# Altium PCB ADRF6510.PcbDoc
Units mil, origin at the board's own origin, x right, y up, seen from the top; angles counter-clockwise.
Board outline 1943 x 1910 mil, 4 copper layers (Top Layer, Layer 1, Layer 2, Bottom Layer), stack 23.756 mil thick; 53 components, 44 nets, 182 pads, 222 vias.
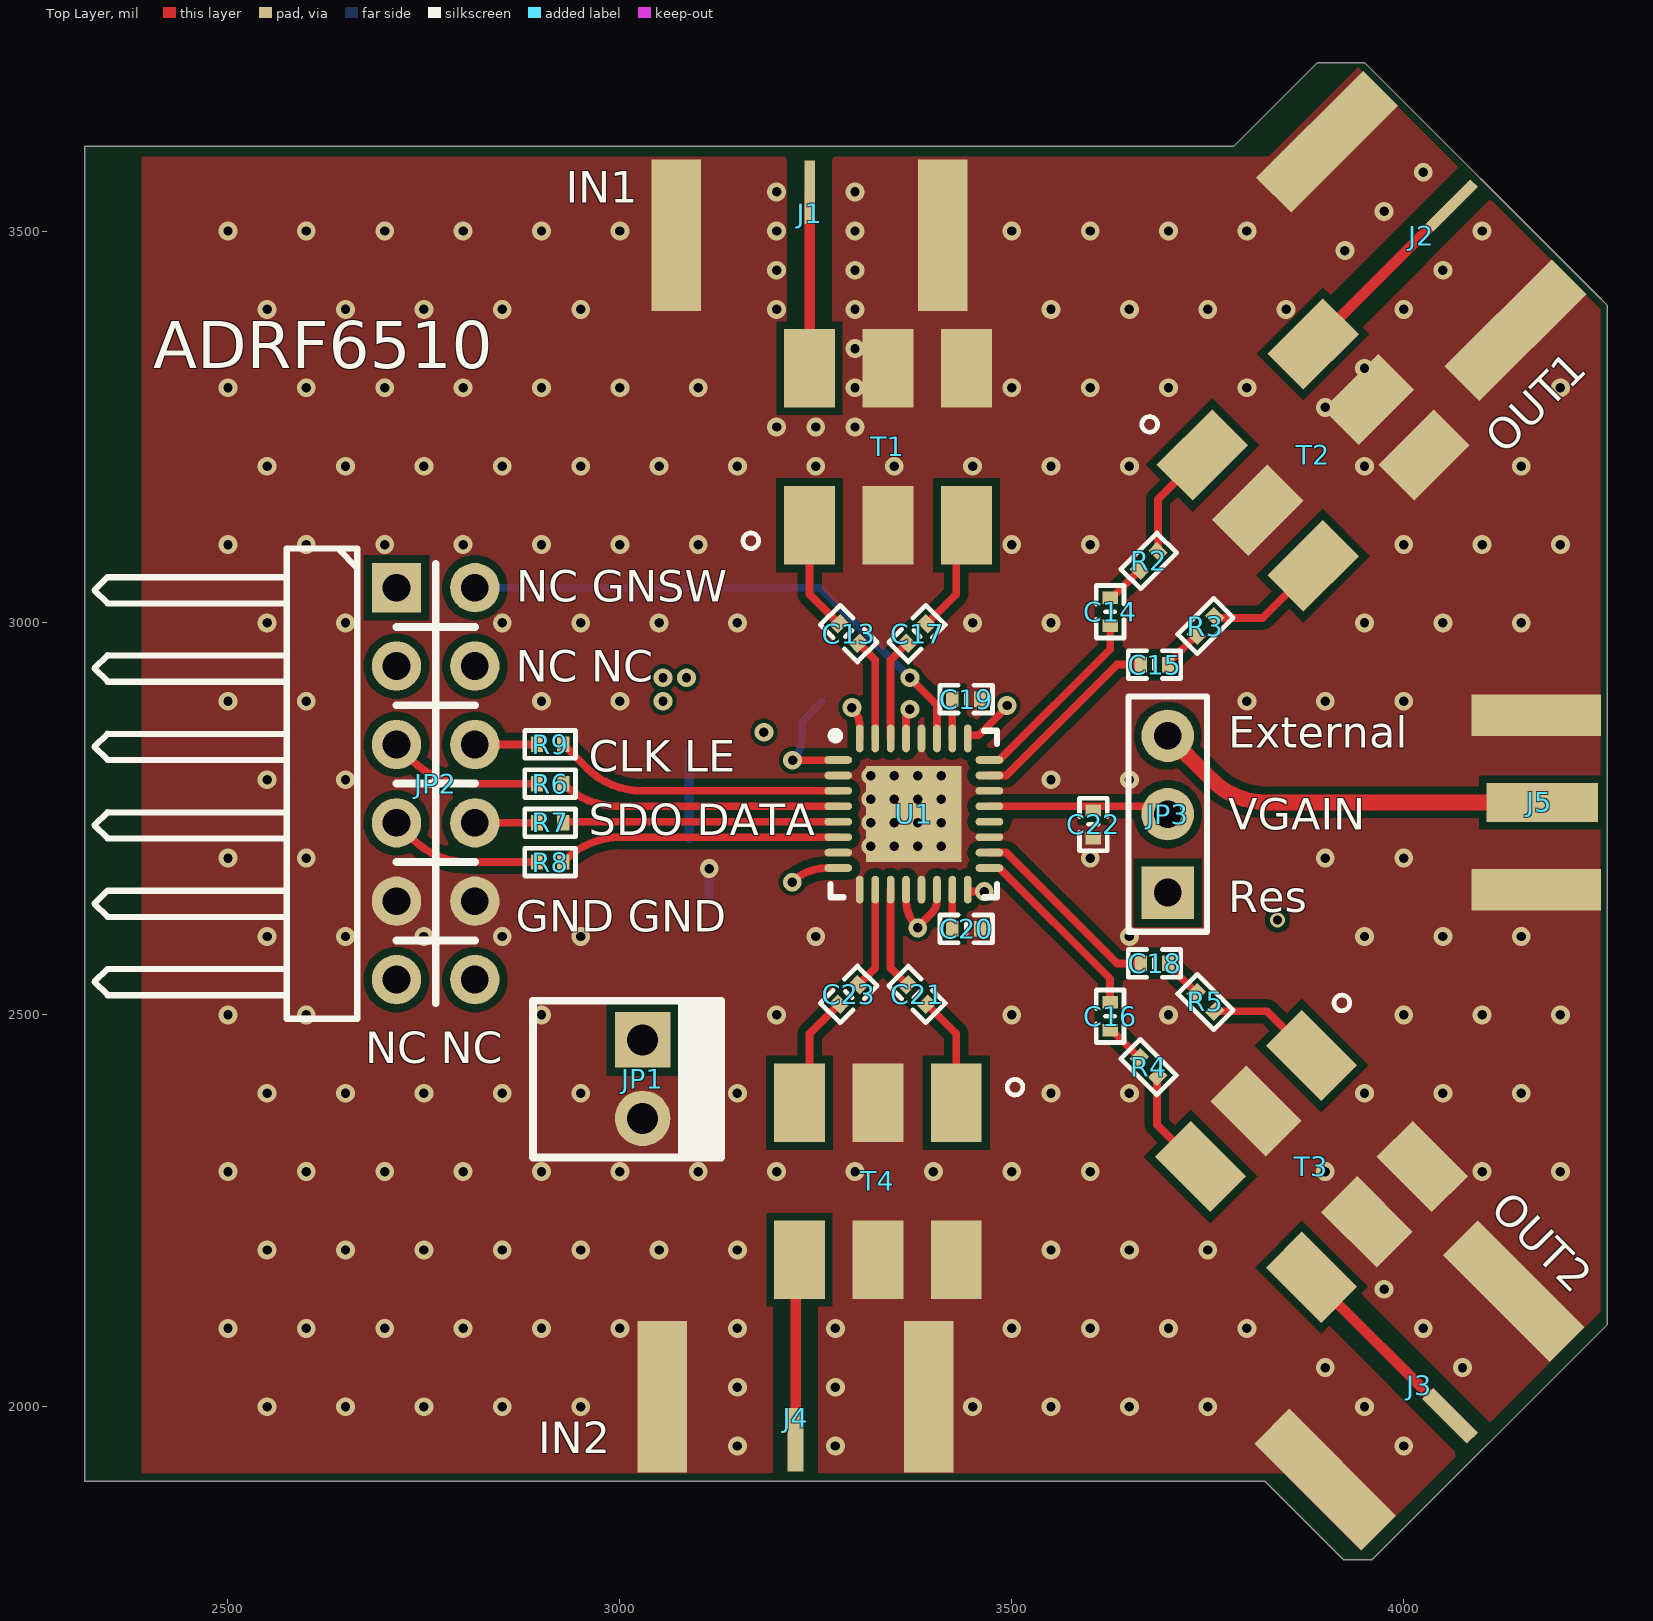
[diagram p0: Top Layer view]
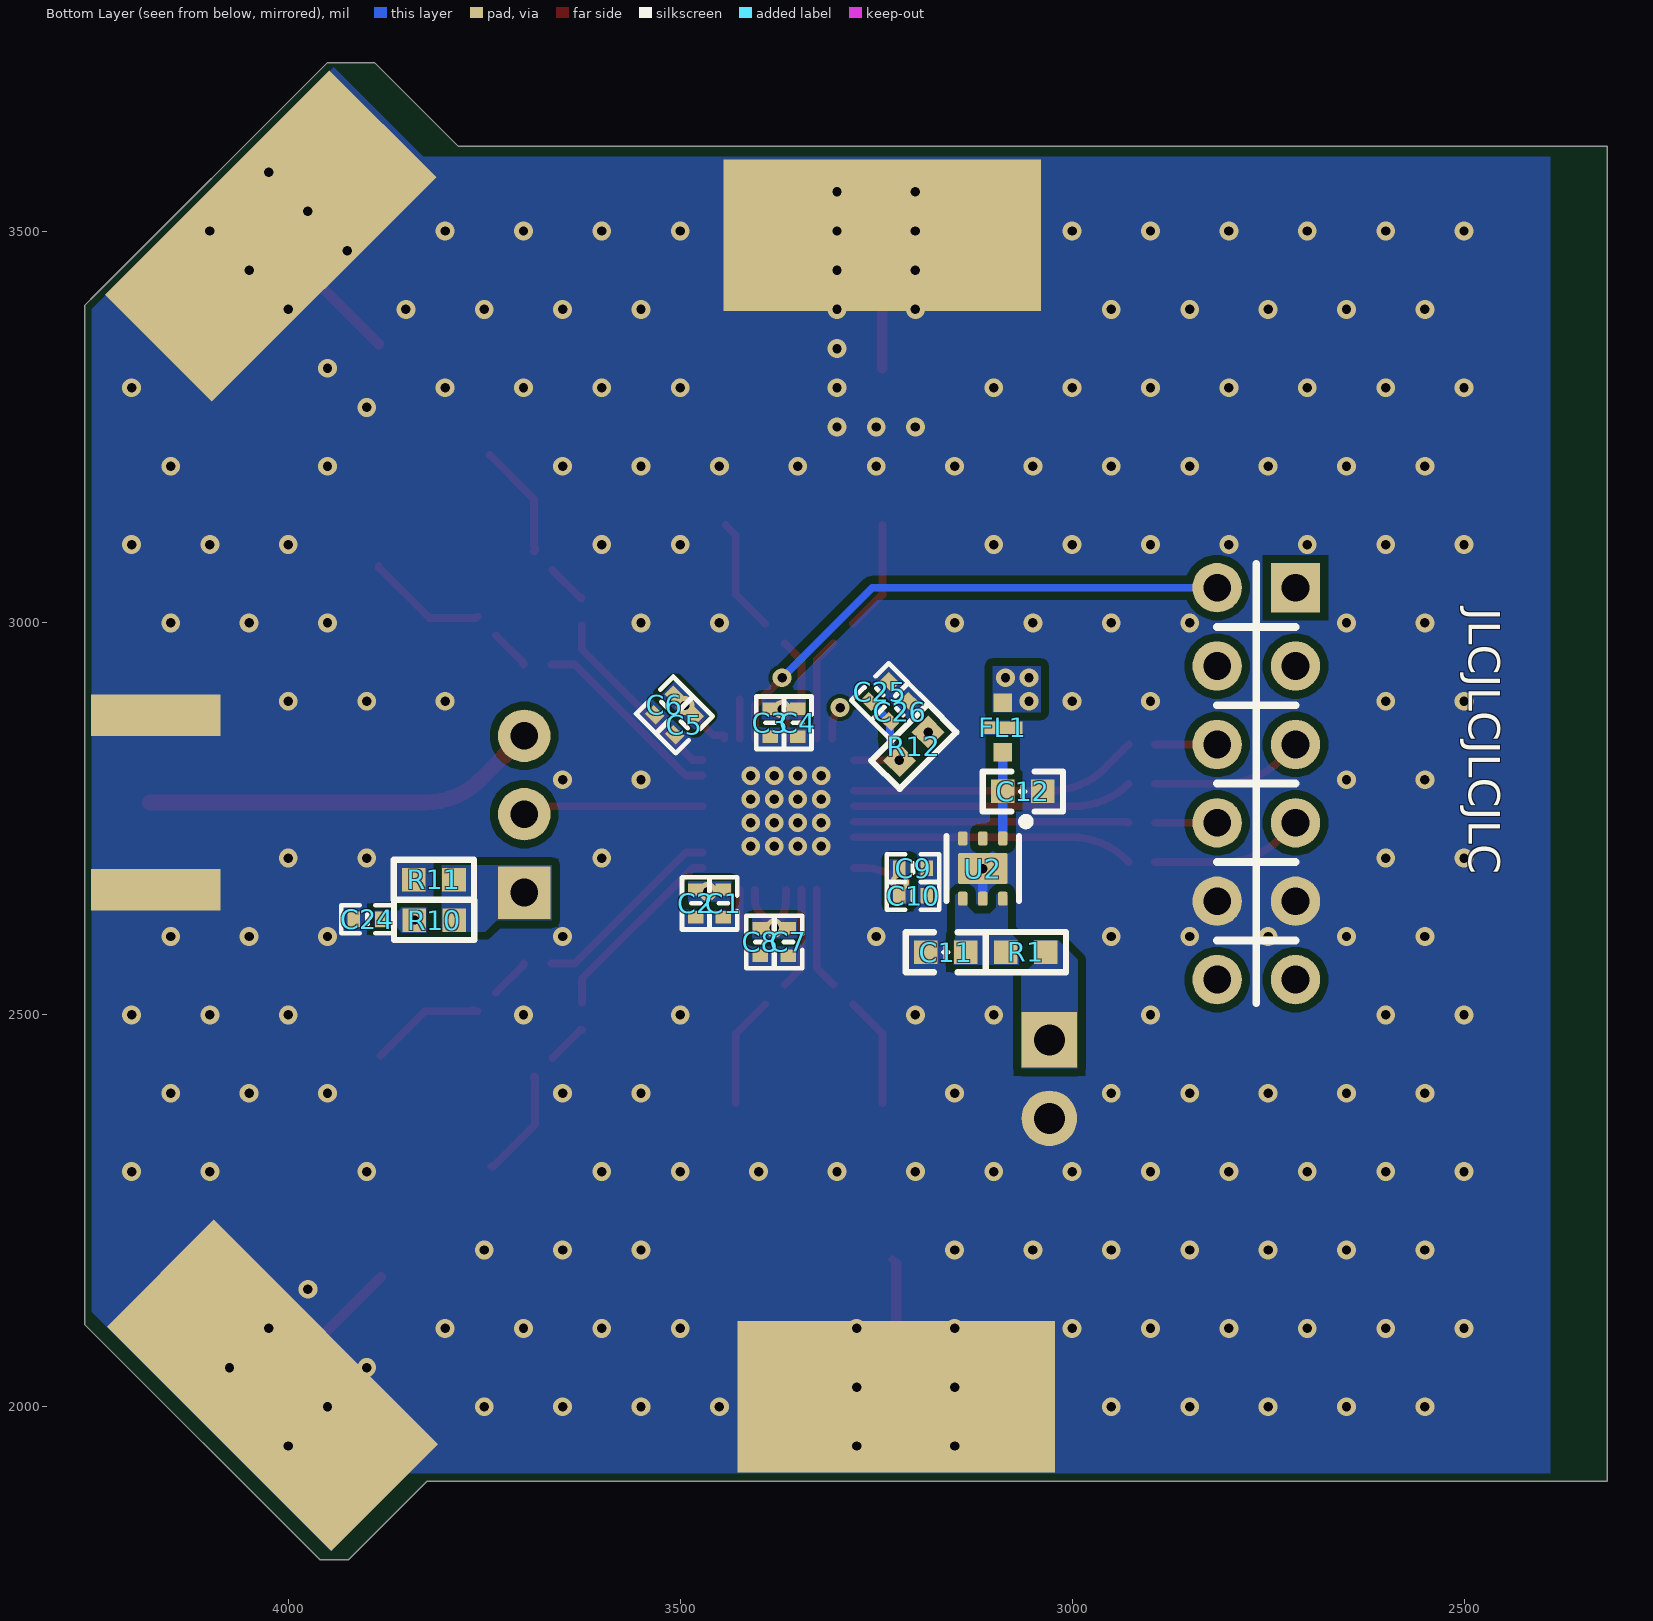
[diagram p1: Bottom Layer view, seen from below]
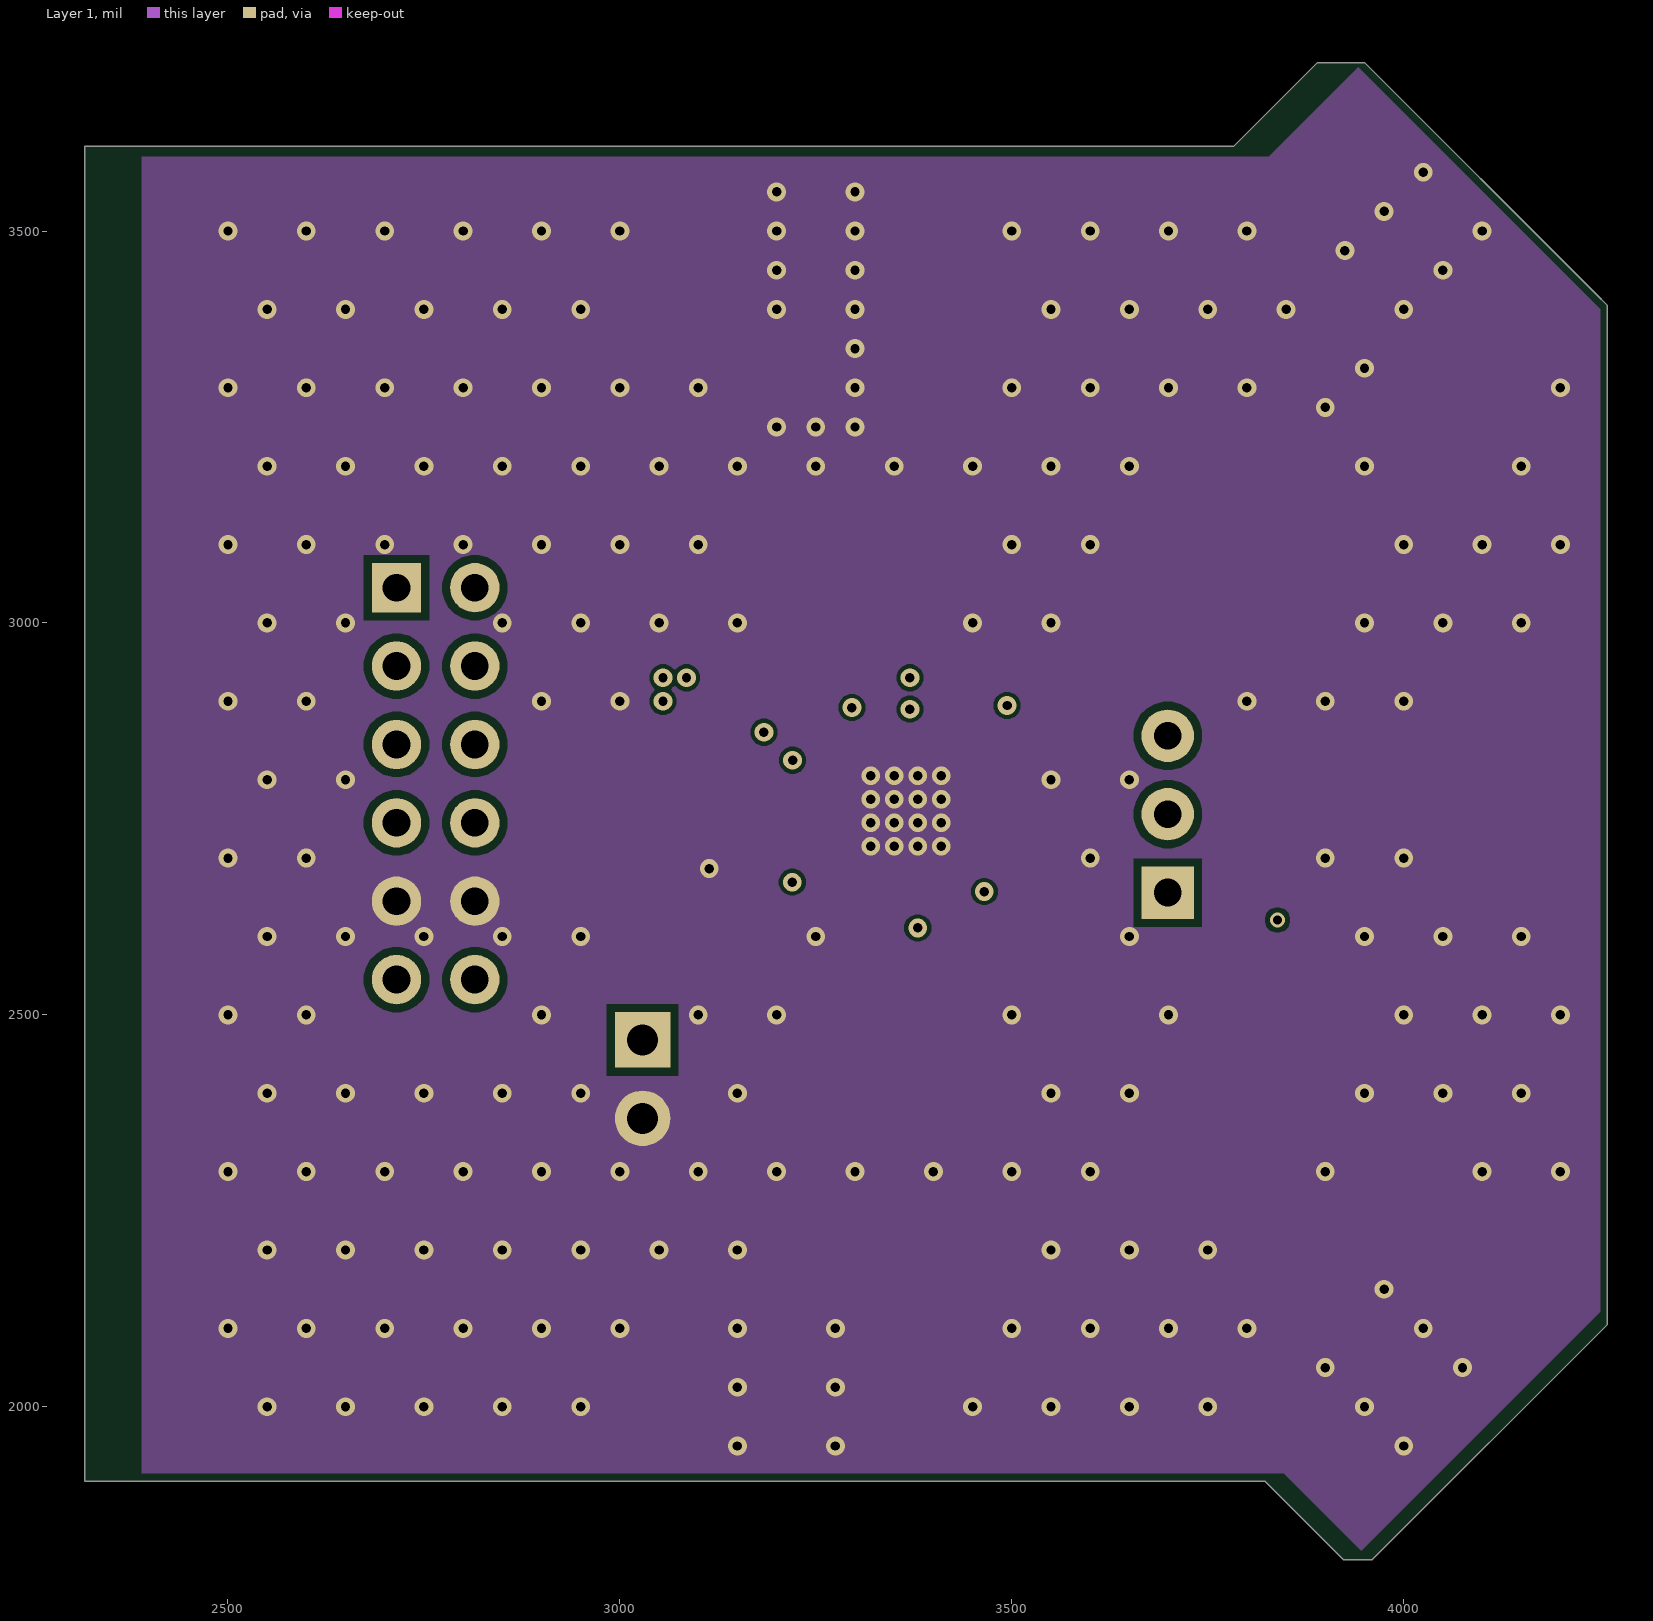
[diagram p2: Layer 1]
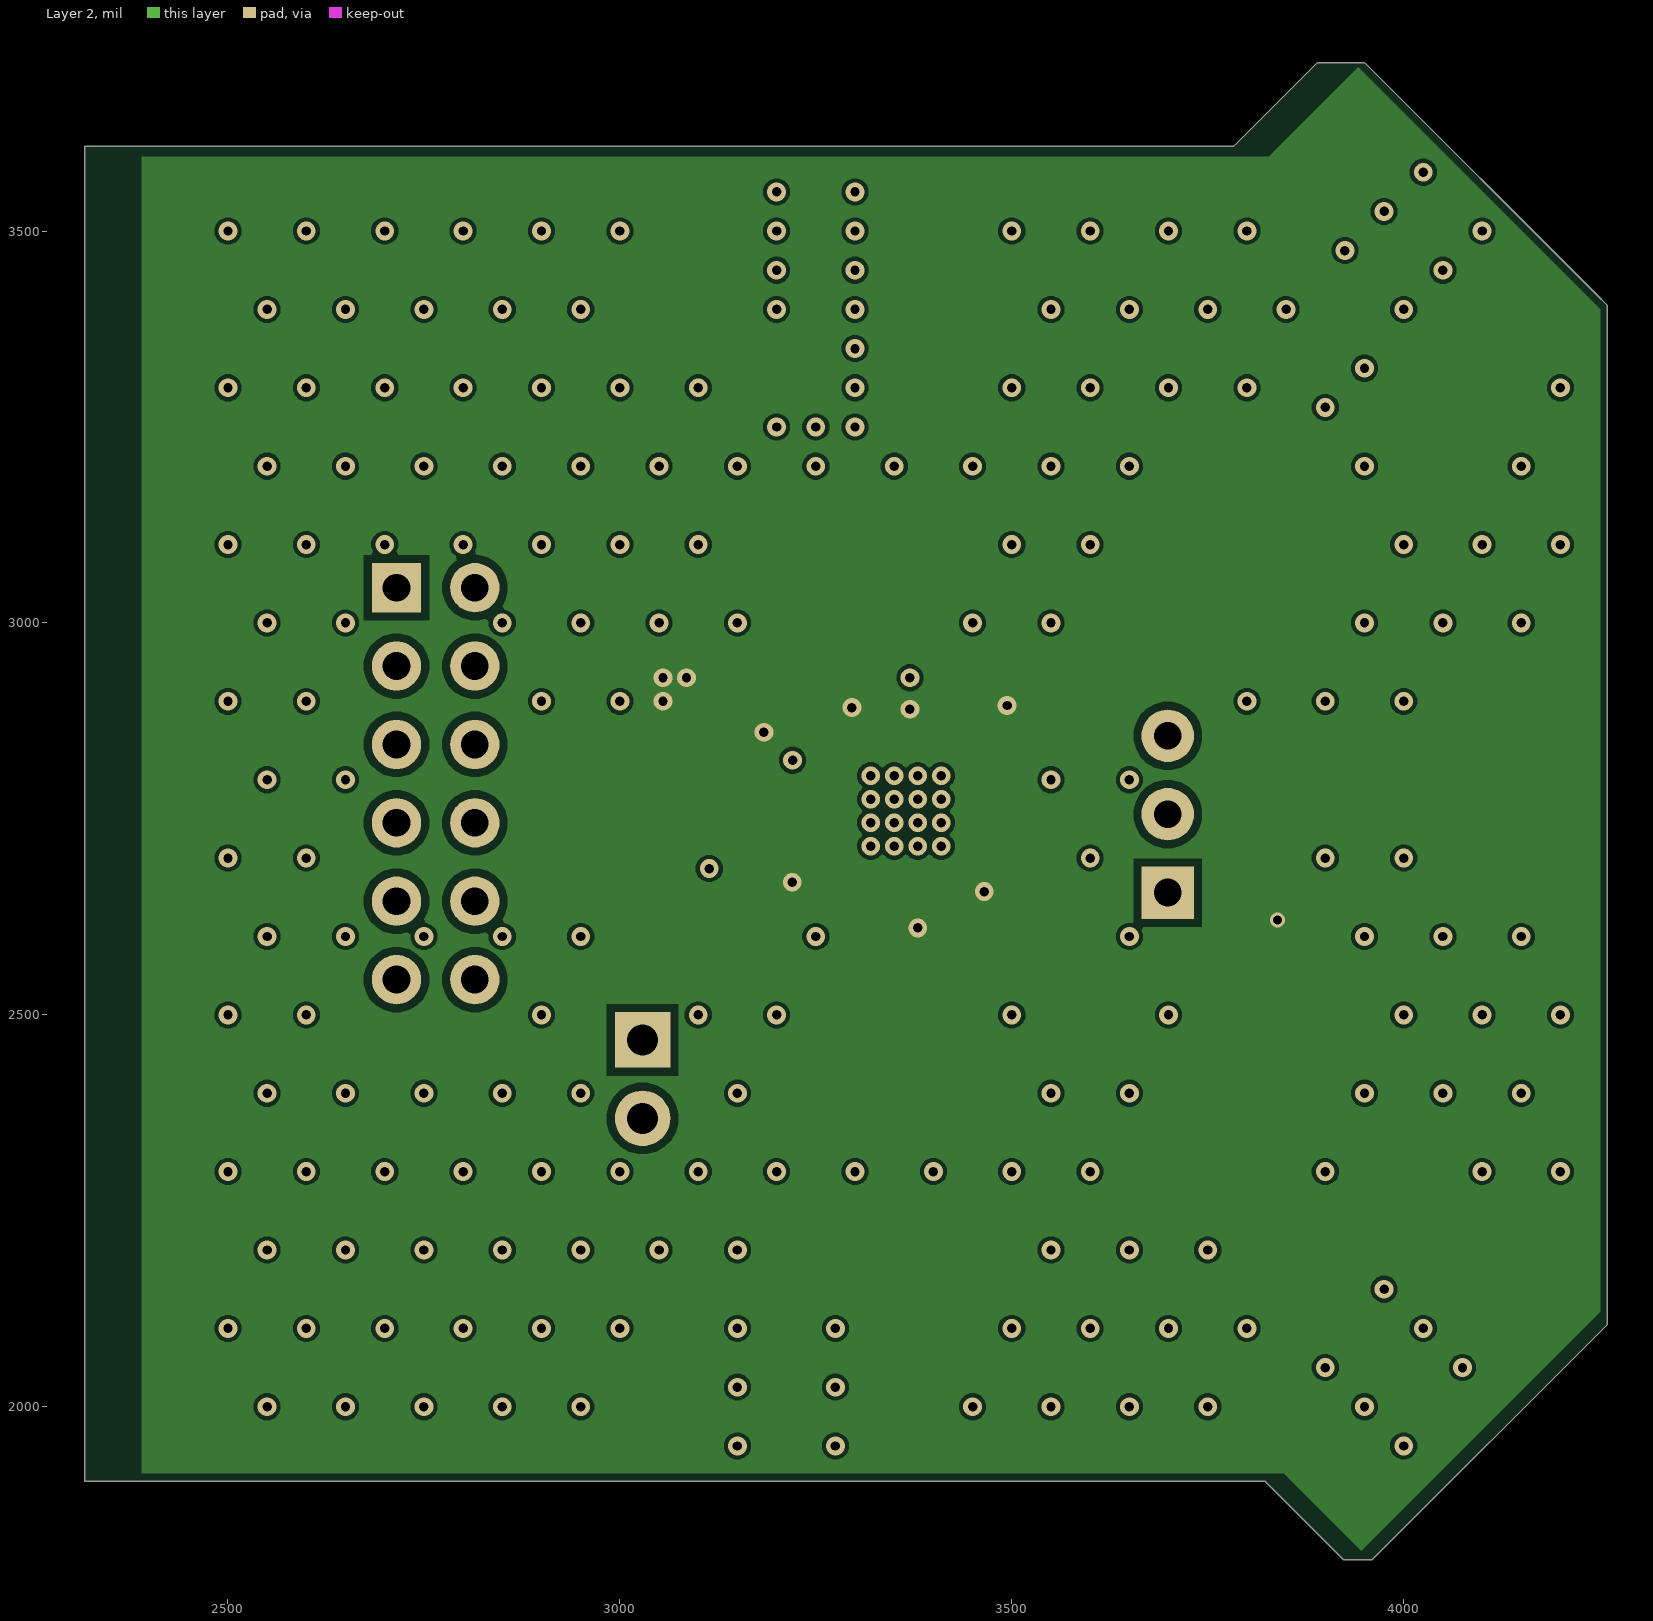
[diagram p3: Layer 2]

## Layer stack, top to bottom
Top Solder: solder mask 0.4, Solder Resist, Dk 3.5
Top Layer: signal copper 1.4
Dielectric 2: prepreg 2.8, PP-006, Dk 4.1
Layer 1: signal copper 1.378
Dielectric 1: dielectric 12.6, FR-4, Dk 4.8
Layer 2: signal copper 1.378
Dielectric 3: prepreg 2.8, PP-006, Dk 4.1
Bottom Layer: signal copper 1.4
Bottom Solder: solder mask 0.4, Solder Resist, Dk 3.5

## Board outline
2317,1905 2317,3608 3782,3608 3783,3608 3890,3715 3950,3715 4245,3420 4260,3405 4260,2105 3960,1805 3923,1805 3823,1905

## Design rules (kind name [scope] priority, off if disabled: settings)
Clearance [All] p1: gap=5 ignorepadtopadclearanceinfootprint=TRUE except(10: Arc-Fill Arc-Poly Arc-Region Track-Fill Track-Poly Track-Region SMDPad-Fill SMDPad-Poly SMDPad-Region THPad-Fill THPad-Poly THPad-Region Fill-Fill Fill-Poly Fill-Region Fill-Text Fill-Hole Poly-Poly Poly-Region Poly-Text Poly-Hole Region-Region Region-Text Region-Hole)
PlaneConnect [All] p1: planeconnectstyle=Direct reliefexpansion=20 reliefentries=4 reliefconductorwidth=10 reliefairgap=10
PolygonConnect [All] p1: connectstyle=Direct reliefconductorwidth=10 reliefentries=4 polygonreliefangle="90 Angle" airgapwidth=10
RoutingVias [All] p1: holewidth=28 width=50 viastyle="Through Hole" minholewidth=28 minwidth=50 maxholewidth=28 maxwidth=50
SolderMaskExpansion [All] p1: expansion=4 istentingtop=FALSE
Width [All] p1: maxlimit=20 minlimit=9 preferedwidth=10
29 further rules are at their usual default settings.

## Components (designator, comment, footprint, x,y, rotation, side; value= is the part's Value field where it differs from the comment)
C1 "100nF" "C 0402_L" 3445,2642.29 r90 bottom
C2 "100nF" "C 0402_L" 3480,2642.29 r90 bottom
C3 "100nF" "C 0402_L" 3385.13,2872.71 r90 bottom
C4 "100nF" "C 0402_L" 3350.12,2872.71 r90 bottom
C5 "100nF" "C 0402_L" 3494.69,2869.93 r135 bottom
C6 "100nF" "C 0402_L" 3520.15,2895.39 r135 bottom
C7 "100nF" "C 0402_L" 3362.01,2593 r90 bottom
C8 "100nF" "C 0402_L" 3398.01,2593 r90 bottom
C9 "100nF" "C 0402_L" 3203,2687.29 r0 bottom
C10 "100nF" "C 0402_L" 3203,2652 r0 bottom
C11 "1uF" "C 0603_L" 3161.16,2579.91 r0 bottom
C12 "4.7uF" "C 0603_L" 3062.82,2785 r180 bottom
C13 "100nF" "C 0402_L" 3292.01,2986.45 r135 top
C14 "100nF" "C 0402_L" 3625.56,3014.29 r90 top
C15 "100nF" "C 0402_L" 3682.1,2946.89 r0 top
C16 "100nF" "C 0402_L" 3625.48,2498.22 r270 top
C17 "100nF" "C 0402_L" 3379.17,2986.45 r45 top
C18 "100nF" "C 0402_L" 3682.1,2565.62 r0 top
C19 "1nF" "C 0402_L" 3441.89,2902.71 r0 top
C20 "1nF" "C 0402_L" 3441.89,2609.79 r0 top
C21 "100nF" "C 0402_L" 3379.17,2526.05 r315 top
C22 "100nF" "C 0402_L" 3604,2743 r90 top
C23 "100nF" "C 0402_L" 3292.01,2526.05 r225 top
C24 "100nF" "C 0402_L" 3899,2622 r180 bottom
C25 "100nF" "C 0402_L" 3245.36,2912.29 r315 bottom
C26 "100nF" "C 0402_L" 3219.9,2886.83 r315 bottom
FL1 "NFM18PC104R1C3D" FIL_NFM18PC104R1C3D 3088.41,2866.5 r90 bottom
J1 "132414" CONN_132414_AMP#1 3242.01,3694.79 r0 top
J2 "132414" CONN_132414_AMP#1 4163.84,3635.16 r315 top
J3 "132414" CONN_132414_AMP#2 4161.56,1885.91 r225 top
J4 "132414" CONN_132414_AMP#2 3224.17,1812.71 r180 top
J5 "SMA-J-P-H-ST-EM1" FP-SMA-J-P-H-ST-EM1-MFG 4439,2771 r90 top
JP1 "HDR-1X2" KF2510-LI-2P 3029,2418 r270 top
JP2 "Header 6X2" HDR2.54-WI-2x6P 2765,2795 r270 top
JP3 "HDR-1X3" HDR2.54-LI-3P 3699,2756 r90 top
R1 "120欧磁珠" "R 0603_L" 3059.01,2580 r0 bottom
R2 "300" "R 0402_L" 3674.02,3078.5 r45 top
R3 "300" "R 0402_L" 3746.3,2995.35 r45 top
R4 "300" "R 0402_L" 3673.94,2434.01 r315 top
R5 "300" "R 0402_L" 3746.31,2517.15 r315 top
R6 "33" "R 0402_L" 2910,2795 r0 top
R7 "33" "R 0402_L" 2910,2745 r0 top
R8 "33" "R 0402_L" 2910,2695 r0 top
R9 "33" "R 0402_L" 2910,2845 r0 top
R10 "?" "R 0603_L" 3814,2621 r180 bottom
R11 "?" "R 0603_L" 3814.21,2672.33 r0 bottom
R12 "120欧磁珠" "R 0603_L" 3201.9,2842.51 r135 bottom
T1 "ADT8-1T+" ADT8-1T+ 3337.01,3229.79 r90 top
T2 "ADT8-1T+" ADT8-1T+ 3884.54,3221.51 r45 top
T3 "ADT8-1T+" ADT8-1T+ 3889.32,2306.64 r315 top
T4 "ADT8-1T+" ADT8-1T+ 3334.17,2282.71 r270 top
U1 "ADRF6510ACPZ-R7" ADI-CP-32-2_N 3374.96,2756.25 r0 top
U2 "LP5912-5.0DRVT" FP-DRV0006A-MFG 3114,2686.61 r270 bottom

## Footprints (in the part's own frame and the unit in brackets; to place one, negate y for a bottom-side part, rotate by r counter-clockwise, add the part's x,y. Pads: shape width x height; smd on the part's side, far side on the other; paste and mask are expansions set on the pad)
ADI-CP-32-2_N [mm] "QFN, 32-Leads, Body 5x5mm, Pitch 0.5mm, Thermal Pad 3.1x3.1mm, IPC Medium Density"
  oval 0.9x0.25 smd mask+0.102: 1(-2.45,1.75) 2(-2.45,1.25) 3(-2.45,0.75) 4(-2.45,0.25) 5(-2.45,-0.25) 6(-2.45,-0.75) 7(-2.45,-1.25) 8(-2.45,-1.75) 17(2.45,-1.75) 18(2.45,-1.25) 19(2.45,-0.75) 20(2.45,-0.25) 21(2.45,0.25) 22(2.45,0.75) 23(2.45,1.25) 24(2.45,1.75)
  oval 0.25x0.9 smd mask+0.102: 9(-1.75,-2.45) 10(-1.25,-2.45) 11(-0.75,-2.45) 12(-0.25,-2.45) 13(0.25,-2.45) 14(0.75,-2.45) 15(1.25,-2.45) 16(1.75,-2.45) 25(1.75,2.45) 26(1.25,2.45) 27(0.75,2.45) 28(0.25,2.45) 29(-0.25,2.45) 30(-0.75,2.45) 31(-1.25,2.45) 32(-1.75,2.45)
  rect 3.1x3.1 smd mask+0.102: 33(0,0)
  silkscreen extent -2.7,-2.7 2.7,2.7, body extent -2.5,-2.5 2.5,2.5, height 0.99
ADT8-1T+ [mil]
  rect 100x65 smd mask+0: 1(-105,95) 2(-105,-5) 3(-105,-105) 4(95,-105) 5(95,-5) 6(95,95)
  silkscreen extent -135,160 -115,180, body extent -141,-160 131,150, height 206
"C 0402_L" [mm] "无极性贴片电容"
  rect 0.4x0.5 smd: 1(-0.45,0) 2(0.45,0)
  silkscreen extent -0.85,-0.45 0.85,0.45, body extent -0.5,-0.26 0.5,0.26, height 0.53
"C 0603_L" [mil] "无极性贴片电容"
  rect 30x30 smd: 1(-25.59,0) 2(25.59,0)
  silkscreen extent -51,-26 51,26, body extent -31,-16 31,16, height 32
CONN_132414_AMP#1 [mil]
  rect 13.48x81 smd paste+0 mask+0: 1(0,-145)
  rect 63x193 smd mask+0: 2(-170,-200) 3(170,-200)
  rect 405x193 smd far side mask+0: 4(0,-200)
  body extent -187,-292 188,270, height 162
CONN_132414_AMP#2 [mil]
  rect 20x81 smd paste+0 mask+0: 1(0,-145)
  rect 63x193 smd mask+0: 2(-170,-200) 3(170,-200)
  rect 405x193 smd far side mask+0: 4(0,-200)
  body extent -188,-292 188,270, height 162
FIL_NFM18PC104R1C3D [mm]
  rect 0.6x0.6 smd mask+0: 1(-0.8,0) 3(0.8,0)
  rect 0.4x1.27 smd mask+0: 2(0,0)
  rect 0.4x1.27 on Bottom Solder mask+0: ""(0,0)
  body extent -0.8,-0.4 0.8,0.4, height 0.7
FP-DRV0006A-MFG [mm]
  rrect33% 0.45x0.3 smd paste+0 mask+0: 1(-0.975,0.65) 2(-0.975,0) 3(-0.975,-0.65) 4(0.975,-0.65) 5(0.975,0) 6(0.975,0.65)
  rrect10% 1x1.6 smd paste-1000 mask+0: 7(0,0)
  silkscreen extent -1.65,-1.17 1.05,1.52, body extent -1,-1 1,1, height 0.8
FP-SMA-J-P-H-ST-EM1-MFG [mm]
  rect 1.27x3.6 smd paste+0 mask+0: 1(0,6.66)
  rect 1.35x4.2 smd paste+0 mask+0: 2(-2.825,6.86) 2(2.825,6.86)
  rect 1.35x4.2 smd far side paste+0 mask+0: 2(-2.825,6.86) 2(2.825,6.86)
  body extent -3.6,-4.92 3.6,9.06, height 0.25
HDR2.54-LI-3P [mm] "排针，3脚"
  rect 1.7x1.7 hole 0.9: 1(-2.54,0)
  round 1.7 hole 0.9: 2(0,0) 3(2.54,0)
  silkscreen extent -3.81,-1.27 3.81,1.27, body extent -3.81,-1.27 3.81,1.27, height 8.5
HDR2.54-WI-2x6P [mm] "双排弯脚排针，6x2脚"
  rect 1.6x1.6 hole 0.9: 1(-6.35,-1.27)
  round 1.6 hole 0.9: 2(-6.35,1.27) 3(-3.81,-1.27) 4(-3.81,1.27) 5(-1.27,-1.27) 6(-1.27,1.27) 7(1.27,-1.27) 8(1.27,1.27) 9(3.81,-1.27) 10(3.81,1.27) 11(6.35,-1.27) 12(6.35,1.27)
  silkscreen extent -7.62,-11.06 7.62,1.27, body extent -7.62,-11.23 7.62,1.62, height 5.1
KF2510-LI-2P [mm] "接插件/2A"
  rect 1.8x1.8 hole 1: 1(-1.27,0)
  round 1.8 hole 1: 2(1.27,0)
  silkscreen extent -2.59,-3.56 2.54,2.54, body extent -2.54,-3.5 2.54,2.4, height 11.05
"R 0402_L" [mm] "1/16W贴片电阻 https://item.taobao.com/item.htm?ft=t&id=613637044352"
  rect 0.4x0.5 smd: 1(-0.4,0) 2(0.45,0)
  silkscreen extent -0.8,-0.45 0.85,0.45, body extent -0.5,-0.25 0.5,0.25, height 0.3
"R 0603_L" [mil] "1/10W贴片电阻 https://item.taobao.com/item.htm?ft=t&id=613637044352"
  rect 30x30 smd: 1(-25.59,0) 2(25.59,0)
  silkscreen extent -51,-26 51,26, body extent -31,-16 31,16, height 16

## Part data
C1 C2 C3 C4 C5 C6 C7 C8 C9 C10 C11 C12 C13 C14 C15 C16 C17 C18 C19 C20 C21 C22 C23 C24 C25 C26: library part C, "贴片电容", BOM名称=贴片电容, 下单链接=https://item.taobao.com/item.htm?ft=t&id=613637044352, 淘宝ID=小糖豆的小窝窝
FL1: "SMD Capacitor with Capacitance: 0.10uF Tol. 20%. Rated Voltage: 16Vdc", Package=NONSTANDARD, Digi-Key_Part_Number=490-6969-1-ND, Digi-Key_Purchase_URL=https://www.digikey.com/product-detail/en/murata-electronics/NFM18PC104R1C3D/490-6969-1-ND/3846166?utm_source=snapeda&utm_medium=aggregator&utm_campaign=symbol, MF=Murata, MP=NFM18PC104R1C3D, SnapEDA_Link=https://www.snapeda.com/parts/NFM18PC104R1C3D/Murata/view-part/4375738/?ref=snap
J1 J2 J3 J4: "No Description Available", Mfr_Name="Amphenol ICC", Copyright="Copyright (C) 2022 Ultra Librarian. All rights reserved.", Manufacturer_Part_Number=132414, RefDes=RefDes, Type=DEV
J5: library part CMP-02754-000006-1, "CONN SMA JACK STR 50OHM EDGE MNT", Case/Package=SMA, Dielectric Material=PTFE, Housing Color=Gold, Max Frequency=6GHz, Max Operating Temperature=125°C, Min Operating Temperature=-65°C, Package Quantity=1, Voltage Rating=335V, Body Material=Brass, Body Plating=Gold, Center Contact Plating=Gold, Connector Type=SMA, Contact Material=Copper, Contact Plating=Gold, Depth=13.33mm, Fastening Type=Threaded, Impedance=50R, Insulation Material=Polytetrafluoroethylene, Length=6.35mm, Mount=Edge, Orientation=Straight, Packaging=Tray, Radiation Hardening=No, RoHS Compliant=Yes, Series=SMA, Termination=Solder
JP1: library part "Header 2", "2P接插件", BOM名称=2P接插件, 下单链接=https://item.taobao.com/item.htm?ft=t&id=613637044352, 淘宝ID=小糖豆的小窝窝
JP2: library part "Header  6X2", "6*2P接插件", BOM名称=6*2P接插件, 下单链接=https://item.taobao.com/item.htm?ft=t&id=613637044352, 淘宝ID=小糖豆的小窝窝
JP3: library part "Header 3", "3P接插件", BOM名称=3P接插件, 下单链接=https://item.taobao.com/item.htm?ft=t&id=613637044352, 淘宝ID=小糖豆的小窝窝
R1 R2 R3 R4 R5 R6 R7 R8 R9 R10 R11 R12: library part R, "贴片电阻", BOM名称=贴片电阻, 下单链接=https://item.taobao.com/item.htm?ft=t&id=613637044352, 淘宝ID=小糖豆的小窝窝
T1 T2 T3 T4: library part CMP-00025-00008-6, "RF Transformer, 50 ohm, 8.0: 1, 0.10-130 MHz, SMT", RoHS Compliant=Yes
U1: library part ADRF510ACPZ, "30 MHz Dual Programmable Filters and Variable Gain Amplifiers, 2 Channels, 4.5 V to 5.5 V, CP32-2-2, 1500 Reel, Pb-Free", Supply Current=264mA, Code_JEDEC=MO-220-VHHD-2, ComponentLink1Description="Manufacturer URL", ComponentLink1URL=www.analog.com, ComponentLink2Description=Datasheet, ComponentLink2URL=http://www.analog.com/static/imported-files/data_sheets/ADRF6510.pdf, ComponentLink3Description="Package Specification", ComponentLink3URL=http://www.analog.com/static/imported-files/packages/414143737956480539664569CP_32_2.pdf, DatasheetVersion="Rev. A", Gain Control=Analog, Gain High End=45dB, Gain Low End=-5dB, Max Pos Supply=5.5V, Number of Channels=2, Output IP3=25dBm, PackageDescription="32-Lead Lead Frame Chip Scale Package [LFCSP_VQ]", PackageReference=CP-32-2, PackageVersion=Jan-2005, RF Frquency Range (MHz)=30MHz
U2: library part LP5912DRVT, "IC REG LINEAR 500MA 6SON", Dropout Voltage=950mV, Max Operating Temperature=125°C, Min Operating Temperature=-40°C, Output Current=500mA, Output Voltage=3.3V, Quiescent Current=30uA, Lead Free="Lead Free", Mount="Surface Mount", Number of Pins=6, Number of Regulators=1, Packaging="Tape and Reel", RoHS Compliant=Yes

## Via types
v1: diameter 24, hole 12, Top Layer to Bottom Layer, tented both sides, 221 vias
v2: diameter 19.68, hole 11.81, Top Layer to Bottom Layer, tented both sides, 1 vias

## Nets (pads, with @x,y where several pads share a name; then routed paths per layer and width w, separated by ;. In a path a pad name is that pad's centre, name@x,y a point inside that pad or via, vN(x,y) a via of type N, cw(c..) or ccw(c..) an arc to the next point about the centre after c; other vN are vias at no path point)
+5: C1.2 C2.2 C3.2 C4.2 C5.2 C6.2 C7.2 C8.2 C9.2 C10.2 C24.2 FL1.3 R10.1 R12.2 U1.8 U1.12 U1.14 U1.16 U1.25 U1.29 U1.32 | length 353.3
  Top Layer w9.84: v1(3220,2669.29) cw(c3263.6,2625.69) 3263.6,2687.35 U1.8 ; v1(3296,2892) cw(c3271.7,2867.7) 3306.06,2867.7 U1.32 ; U1.12 3365.12,2646.92 ccw(c3415.92,2646.92) v1(3380,2611) cw(c3382.41,2611) 3380.71,2612.71 3398,2630 ccw(c3382.33,2645.67) 3404.49,2645.67 U1.14 ; U1.29 3365.12,2881.29 3370,2886.17 v1(3370,2890) ; U1.16 ccw(c3449.91,2665.85) 3449.91,2657.29 v1(3465,2657.29) ; U1.25 3443.86,2856.78 3457.78,2856.78 3493.98,2892.98 v1(3493.98,2894.68)
  Bottom Layer w9.84: v1(3085,2930) v1@3086.91,2928.09 ; v2(3839,2621) cw(c3841.41,2618.59) R10.1@3841.41,2622
  other v1: 3183.81,2860.6 3055,2900 3055,2930
+5_D: C25.2 C26.2 R12.1 U1.1 | length 146.9
  Top Layer w9.84: v1(3220.42,2824.82) 3220.6,2825 U1.1@3278.51,2825
  Bottom Layer w9.84: v1(3220.42,2824.82) ccw(c3191.42,2853.82) 3232.43,2853.82 C26.2 C25.2
CLK: JP2.5 R6.1 | length 195.7
  Top Layer w9.84: JP2.5 2735.71,2824.29 ccw(c2806.42,2895) 2806.42,2795 R6.1
DATA: JP2.8 R7.1 | length 79.3
  Top Layer w9.84: JP2.8 R7.1
GND: C1.1 C2.1 C3.1 C4.1 C5.1 C6.1 C7.1 C8.1 C9.1 C10.1 C11.2 C12.2 C19.2 C20.2 C22.1 C24.1 C25.1 C26.1 FL1.2 J1.2 J1.3 J1.4 J2.2 J2.3 J2.4 J3.2 J3.3 J3.4 J4.2 J4.3 J4.4 J5.2 JP1.2 JP2.9 JP2.10 R11.2 T1.2 T1.4 T1.5 T2.2 T2.4 T2.5 T3.2 T3.5 T3.6 T4.2 T4.5 T4.6 U1.2 U1.7 U1.9 U1.13 U1.19 U1.22 U1.28 U1.33 U2.3 U2.5 U2.7 | length 38.4
  Bottom Layer w11.81: U2.5 v1(3114,2686.61)
  other v1: 3150,1950 3275,1950 4000,1950 2550,2000 2650,2000 2750,2000 2850,2000 2950,2000 3450,2000 3550,2000 3650,2000 3750,2000 3950,2000 3150,2025 3275,2025 3900,2050 4075,2050 2500,2100 2600,2100 2700,2100 2800,2100 2900,2100 3000,2100 3150,2100 3275,2100 3500,2100 3600,2100 3700,2100 3800,2100 4025,2100 3975,2150 2550,2200 2650,2200 2750,2200 2850,2200 2950,2200 3050,2200 3150,2200 3550,2200 3650,2200 3750,2200 2500,2300 2600,2300 2700,2300 2800,2300 2900,2300 3000,2300 3100,2300 3200,2300 3300,2300 3400,2300 3500,2300 3600,2300 3900,2300 4100,2300 4200,2300 2550,2400 2650,2400 2750,2400 2850,2400 2950,2400 3150,2400 3550,2400 3650,2400 3950,2400 4050,2400 4150,2400 2500,2500 2600,2500 2900,2500 3100,2500 3200,2500 3500,2500 3700,2500 4000,2500 4100,2500 4200,2500 2550,2600 2650,2600 2750,2600 2850,2600 2950,2600 3250,2600 3650,2600 3950,2600 4050,2600 4150,2600 2500,2700 2600,2700 3600,2700 3900,2700 4000,2700 3320,2715 3350,2715 3380,2715 3410,2715 3320,2745 3350,2745 3380,2745 3410,2745 3320,2775 3350,2775 3380,2775 3410,2775 2550,2800 2650,2800 3550,2800 3650,2800 3320,2805 3350,2805 3380,2805 3410,2805 2500,2900 2600,2900 2900,2900 3000,2900 3800,2900 3900,2900 4000,2900 2550,3000 2650,3000 2850,3000 2950,3000 3050,3000 3150,3000 3450,3000 3550,3000 3950,3000 4050,3000 4150,3000 2500,3100 2600,3100 2700,3100 2800,3100 2900,3100 3000,3100 3100,3100 3500,3100 3600,3100 4000,3100 4100,3100 4200,3100 2550,3200 2650,3200 2750,3200 2850,3200 2950,3200 3050,3200 3150,3200 3250,3200 3350,3200 3450,3200 3550,3200 3650,3200 3950,3200 4150,3200 3200,3250 3250,3250 3300,3250 3900,3275 2500,3300 2600,3300 2700,3300 2800,3300 2900,3300 3000,3300 3100,3300 3300,3300 3500,3300 3600,3300 3700,3300 3800,3300 4200,3300 3950,3325 3300,3350 2550,3400 2650,3400 2750,3400 2850,3400 2950,3400 3200,3400 3300,3400 3550,3400 3650,3400 3750,3400 3850,3400 4000,3400 3200,3450 3300,3450 4050,3450 3925,3475 2500,3500 2600,3500 2700,3500 2800,3500 2900,3500 3000,3500 3200,3500 3300,3500 3500,3500 3600,3500 3700,3500 3800,3500 4100,3500 3975,3525 3200,3550 3300,3550 4025,3575
GNSW: JP2.2 U1.27 | length 694.2
  Top Layer w9.84: v1(3370,2930) 3404.49,2895.51 U1.27
  Bottom Layer w9.84: JP2.2 3255,3045 v1(3370,2930)
INM1: C17.1 U1.30 | length 130
  Top Layer w10: U1.30 3345.43,2952.71 C17.1
INM2: C21.1 U1.11 | length 130
  Top Layer w10: U1.11 3345.43,2559.79 C21.1
INP1: C13.1 U1.31 | length 130
  Top Layer w10: C13.1 3325.75,2952.71 U1.31
INP2: C23.1 U1.10 | length 130
  Top Layer w10: C23.1 3325.75,2559.79 U1.10
LE: JP2.6 R9.1 | length 79.3
  Top Layer w9.84: JP2.6 R9.1
NetC11_1: C11.1 R1.2 U2.4 U2.6
NetC12_1: C12.1 FL1.1 U2.1 | length 110
  Bottom Layer w11.81: U2.1 C12.1 FL1.1
NetC13_2: C13.2 T1.1 | length 141.3
  Top Layer w10: T1.1 3242.01,3036.45 C13.2
NetC14_1: C14.1 U1.24 | length 242.7
  Top Layer w10: U1.24 3484.14,2825.15 3625.56,2966.57 C14.1
NetC14_2: C14.2 R2.1 | length 52
  Top Layer w10: C14.2 3627.53,3032 R2.1
NetC15_1: C15.1 U1.23 | length 251.5
  Top Layer w10: U1.23 3492.96,2805.46 3634.38,2946.89 C15.1
NetC15_2: C15.2 R3.1 | length 52
  Top Layer w10: C15.2 3699.81,2948.85 R3.1
NetC16_1: C16.1 U1.17 | length 242.6
  Top Layer w10: U1.17 3484.06,2687.35 3625.48,2545.93 C16.1
NetC16_2: C16.2 R4.1 | length 52
  Top Layer w10: C16.2 3627.44,2480.5 R4.1
NetC17_2: C17.2 T1.3 | length 146.7
  Top Layer w10: C17.2 3429.18,3036.45 3429.18,3111.96 T1.3
NetC18_1: C18.1 U1.18 | length 251.5
  Top Layer w10: U1.18 3492.96,2707.04 3634.38,2565.62 C18.1
NetC18_2: C18.2 R5.1 | length 52
  Top Layer w10: C18.2 3699.81,2563.65 R5.1
NetC19_1: C19.1 U1.26 | length 50
  Top Layer w9.84: U1.26 C19.1
NetC20_1: C20.1 U1.15 | length 50
  Top Layer w9.84: C20.1 U1.15
NetC21_2: C21.2 T4.1 | length 141.3
  Top Layer w10: C21.2 3429.17,2476.05 T4.1
NetC23_2: C23.2 T4.3 | length 141.3
  Top Layer w10: T4.3@3242,2387.71 3242,2476.05 C23.2
NetJ1_1: J1.1 T1.6 | length 225
  Top Layer w13.48: T1.6 J1.1
NetJ2_1: J2.1 T2.6 | length 250
  Top Layer w13.48: T2.6 J2.1
NetJ3_1: J3.1 T3.4 | length 250
  Top Layer w13.48: T3.4 J3.1
NetJ4_1: J4.1 T4.4 | length 232.1
  Top Layer w10: T4.4@3224.17,2182.71 T4.4
  Top Layer w13.48: J4.1 T4.4@3224.17,2182.71
NetR6_2: R6.2 U1.4 | length 358.5
  Top Layer w9.84: R6.2 ccw(c2997.49,2864.78) 2997.49,2766.09 U1.4
NetR7_2: R7.2 U1.5 | length 351.2
  Top Layer w9.84: R7.2 cw(c2931.12,2741.59) 2931.12,2746.41 U1.5
NetR8_2: R8.2 U1.6 | length 359.6
  Top Layer w9.84: R8.2 2930.15,2697.43 cw(c3000.86,2626.72) 3000.86,2726.72 U1.6
NetR9_2: R9.2 U1.3 | length 371
  Top Layer w9.84: R9.2 2957.64,2815.07 ccw(c3028.35,2885.78) 3028.35,2785.78 U1.3
OPM1: R3.2 T2.3 | length 155.1
  Top Layer w10: R3.2 3760.22,3006.48 3820.22,3006.48 3884.54,3070.79 T2.3
OPM2: R5.2 T3.1 | length 148
  Top Layer w10: R5.2 3762.9,2504.63 3764.29,2506.02 3765.68,2504.63 3825.68,2504.63 T3.1
OPP1: R2.2 T2.1 | length 148
  Top Layer w10: R2.2 3685.15,3092.41 3685.15,3096.47 3686.55,3097.87 3686.55,3157.87 T2.1
OPP2: R4.2 T3.3 | length 142.8
  Top Layer w10: R4.2@3686.46,2418.54 R4.2 3685.07,2420.09 3685.07,2360.09 3738.52,2306.64 T3.3
RAW: JP1.1 R1.1
SDO: JP2.7 R8.1 | length 195.7
  Top Layer w9.84: JP2.7 2735.71,2724.29 ccw(c2806.42,2795) 2806.42,2695 R8.1
VGAIN: C22.2 JP3.2 U1.21 | length 231.8
  Top Layer w9.84: U1.21 3688.91,2766.09 JP3.2
VGAIN1: JP3.1 R10.2 R11.1
VGAIN2: J5.1 JP3.3 | length 508.7
  Top Layer w20: JP3.3 3754.71,2800.29 ccw(c3825.42,2871) 3825.42,2771 J5.1
pads on no net: FL1. JP2.1 JP2.3 JP2.4 JP2.11 JP2.12 U1.20 U2.2

## Polygon pours and split planes (outlines as drawn)
GND on Bottom Layer "NONET_L-01_P-001" (solid, remove dead copper, pour order 11): 2390,3595 3828,3595 3942,3709 4251,3400 4251,2121 3946,1816 3847,1915 2390,1915
+5 on Bottom Layer "NONET_L-01_P-001" (solid, remove dead copper, pour order 10): 3824,2637 3824,2605 3855,2605 3861,2611 3890,2611 3890,2633 3859,2633 3855,2637
+5 on Bottom Layer "NONET_L-01_P-001" (solid, remove dead copper, pour order 9): 3233,2698.29 3207,2698.29 3207,2643.71 cw(c3203.59,2643.71) 3206,2641.29 3233,2641.29
+5 on Bottom Layer "NONET_L-01_P-001" (solid, remove dead copper, pour order 8): 3408,2623 3351,2623 3351,2598 3408,2598
+5 on Bottom Layer "NONET_L-01_P-001" (solid, remove dead copper, pour order 7): 3525.09,2907.41 3481.25,2863.57 3462.87,2881.95 3506.71,2925.79
+5 on Bottom Layer "NONET_L-01_P-001" (solid, remove dead copper, pour order 6): 3396,2904 3396,2877 3340,2877 3340,2904
+5 on Bottom Layer "NONET_L-01_P-001" (solid, remove dead copper, pour order 5): 3435,2644.29 3490,2644.29 3490,2670.29 3435,2670.29
+5 on Bottom Layer "NONET_L-01_P-001" (solid, remove dead copper, pour order 4): 3101,2886 3101,2945 3040,2945 3040,2886
RAW on Bottom Layer "NONET_L-01_P-001" (solid, remove dead copper, pour order 3): 3018,2595 2993,2570 2993,2432 3065,2432 3065,2549 3049,2565 3049,2595
NetC11_1 on Bottom Layer "NONET_L-01_P-001" (solid, remove dead copper, pour order 2): 3082,2657 3082,2608 3068,2594 3068,2564 3151,2564 3151,2595 3149,2597 3149,2658 3136,2658 3133,2655 3133,2638 3124,2629 3105,2629 3097,2637 3097,2653 3093,2657
VGAIN1 on Bottom Layer "NONET_L-01_P-001" (solid, remove dead copper, pour order 0): 3664,2691 3664,2621 3734,2621 3749,2606 3804,2606 3804,2691
GND on Bottom Solder "NONET_L-01_P-001" (solid): 3314,2818 3314,2695 3436,2695 3436,2818
GND on Top Layer "NONET_L-01_P-001" (solid, remove dead copper, pour order 13): 2390,3595 3828,3595 3942,3709 4251,3400 4251,2121 3946,1816 3847,1915 2390,1915
GND on Layer 1 "NONET_L-01_P-001" (solid, remove dead copper, pour order 12): 2390,3595 3828,3595 3942,3709 4251,3400 4251,2121 3946,1816 3847,1915 2390,1915
+5 on Layer 2 "NONET_L-01_P-001" (solid, remove dead copper, pour order 14): 2390,3595 3828,3595 3942,3709 4251,3400 4251,2121 3946,1816 3847,1915 2390,1915

## Other copper
Top Layer:
  pour cut-out: 3195,2138 3195,1916 3253,1916 3253,2138
  pour cut-out: 4109.74,1980.26 3939,2151 3897.99,2109.99 4068.72,1939.25
  pour cut-out: 3940.55,3370.45 4110.05,3539.94 4069.04,3580.96 3899.54,3411.46
  pour cut-out: 3213,3591 3213,3375 3271,3375 3271,3591

## Silkscreen, mask and mechanical layers (free items; w line width, h text height)
Top Overlay:
  text "IN1" at 2931,3536 h40
  text "ADRF6510" at 2405,3325 h60
  text "OUT1" at 4128.41,3213.05 h40 r45
  text "NC GNSW" at 2868,3027 h40
  text "NC NC" at 2867,2925 h40
  text "External" at 3776,2841 h40
  text "CLK LE" at 2960,2810 h40
  text "VGAIN" at 3776,2736 h40
  text "SDO DATA" at 2960,2729 h40
  text "Res" at 3776,2631 h40
  text "GND GND" at 2867,2606 h40
  text "NC NC" at 2675,2438 h40
  text "OUT2" at 4108.49,2250 h40 r315
  text "IN2" at 2896,1941 h40
Bottom Overlay:
  text "JLCJLCJLCJLC" at 2494,3019 h40 r90
Mechanical 1:
  the board outline again, w6